# Altium PCB LightLink_V3.PcbDoc (part 1 of 4) (continued)
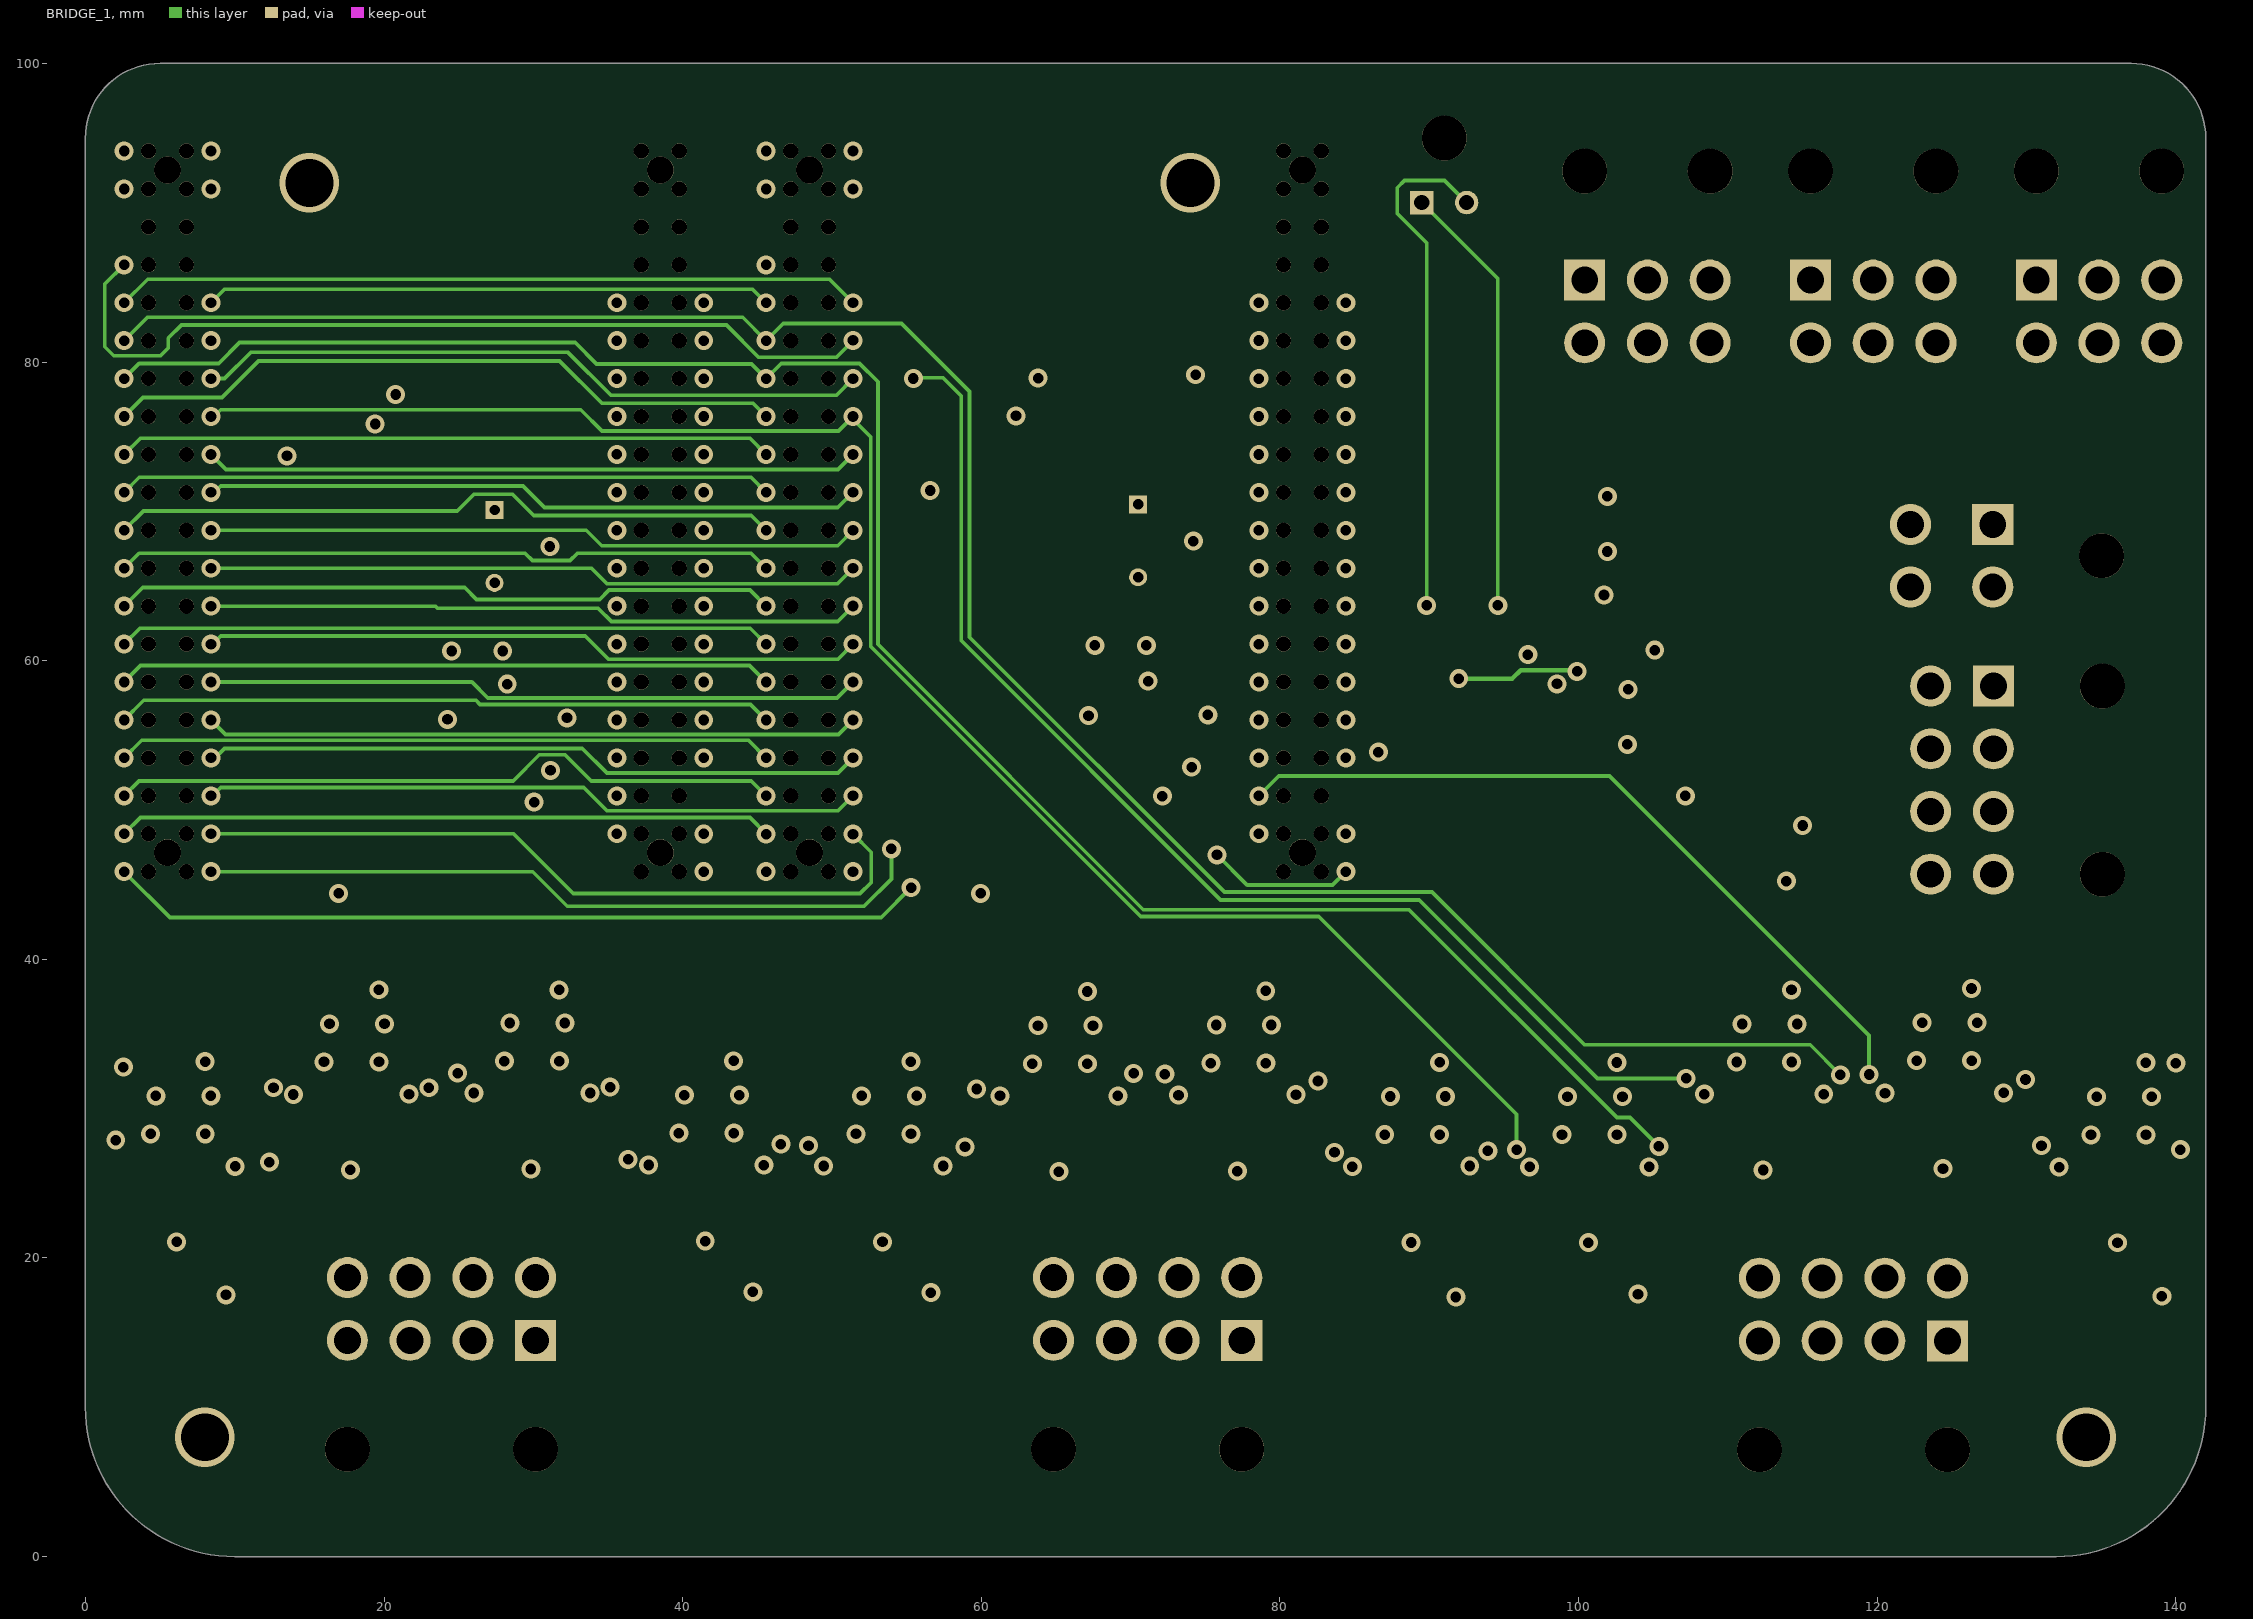
[diagram p4: BRIDGE_1]
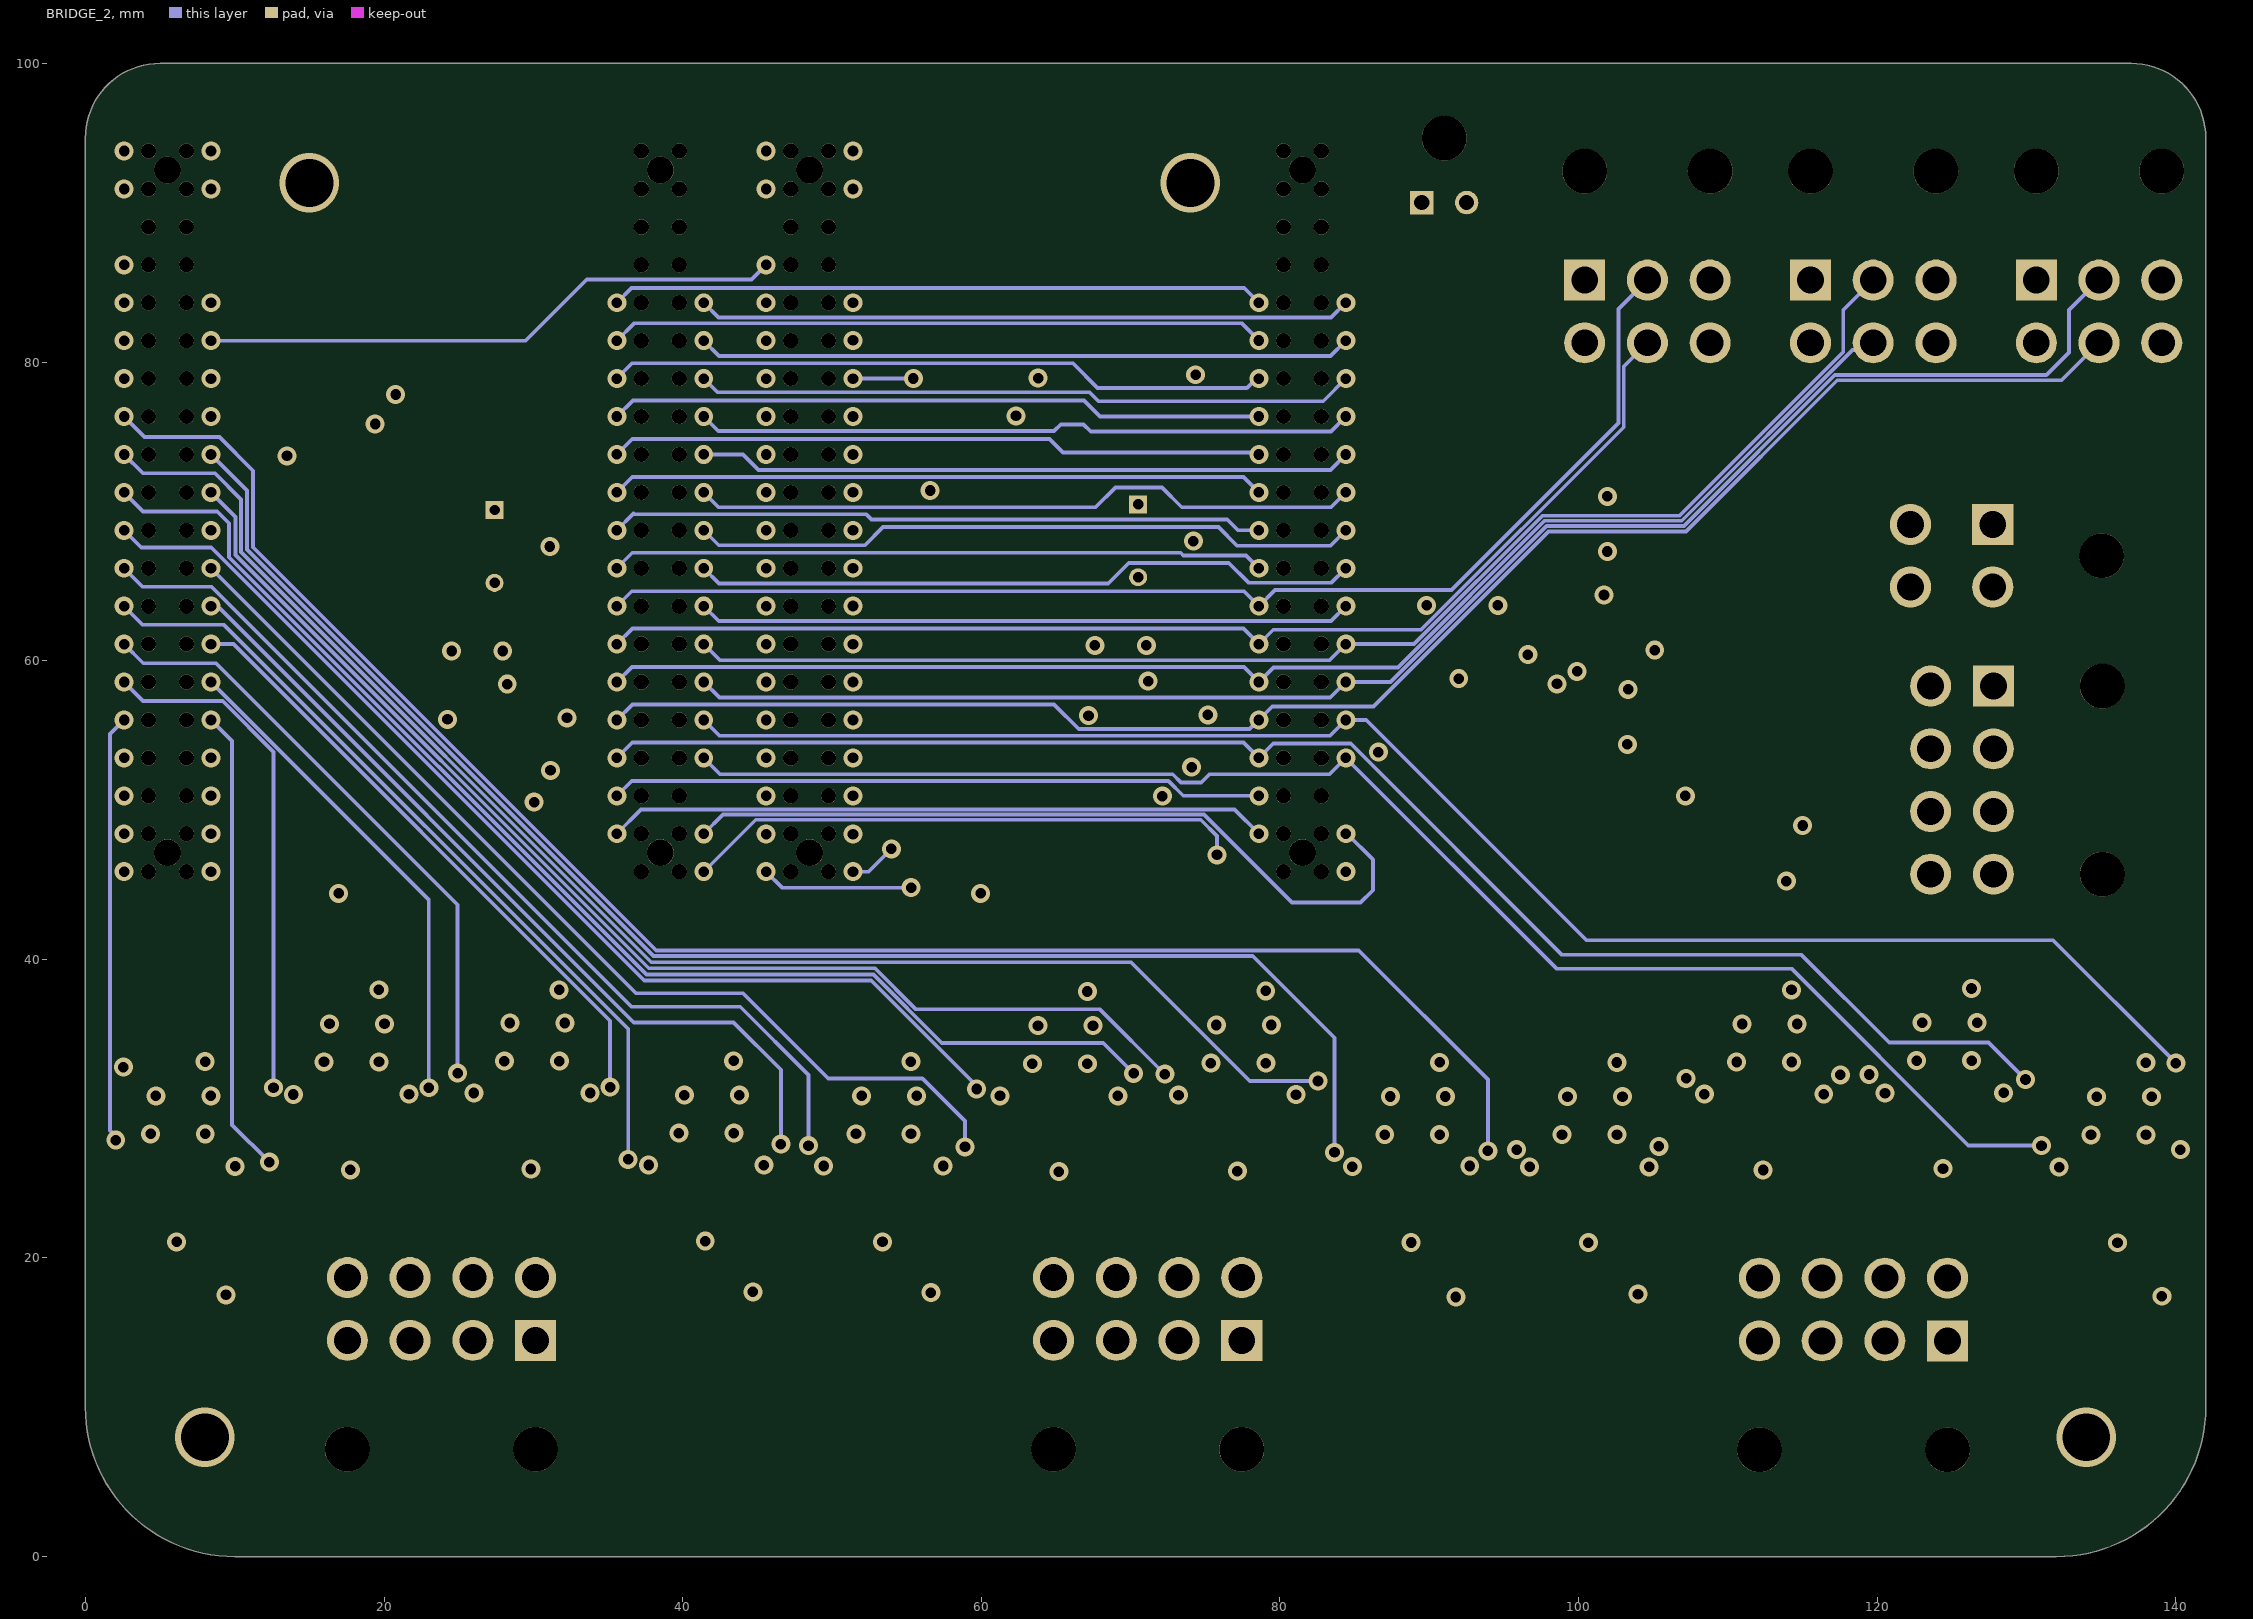
[diagram p5: BRIDGE_2]
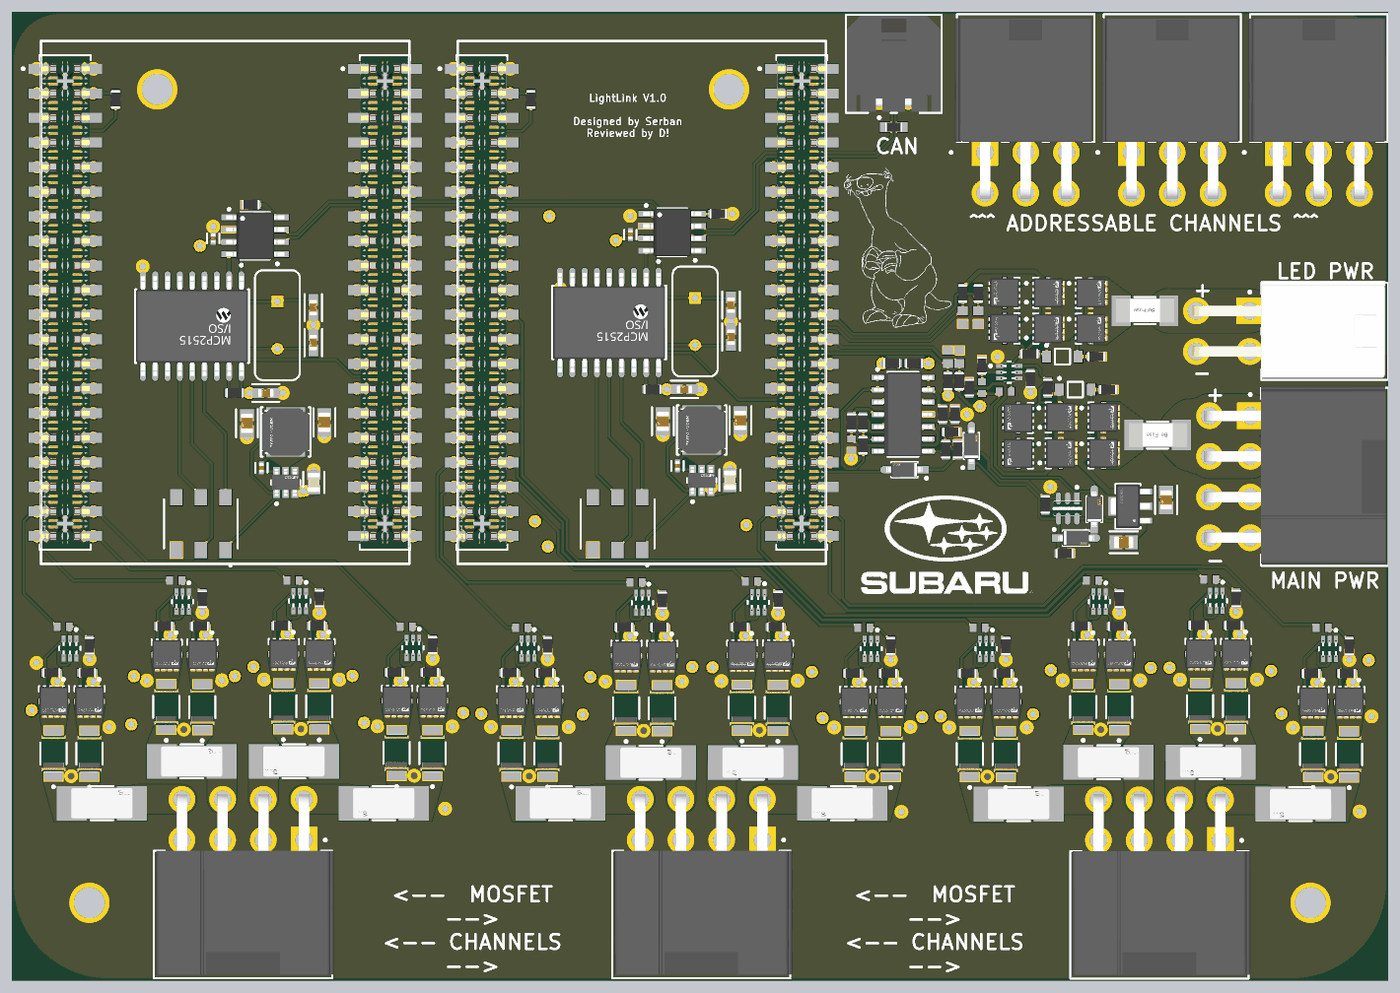
[diagram p9: 3D render of the assembled board from above, using the file's embedded part models]

## Layer stack, top to bottom
Top Solder: solder mask 0.0102, Solder Resist, Dk 3.5
Top Layer: signal copper 0.0356
Dielectric 2: prepreg 0.0711, PP-006, Dk 4.1
GND: signal copper 0.035
Dielectric 4: prepreg 0.0711, PP-006, Dk 4.1
PWR: signal copper 0.035
Dielectric 1: dielectric 0.32, FR-4, Dk 4.8
BRIDGE_1: signal copper 0.035
Dielectric 5: prepreg 0.0711, PP-006, Dk 4.1
BRIDGE_2: signal copper 0.035
Dielectric 3: prepreg 0.0711, PP-006, Dk 4.1
Bottom Layer: signal copper 0.0356
Bottom Solder: solder mask 0.0102, Solder Resist, Dk 3.5

## Board outline
0,10 0,95 cw(c5,95) 5,100 137,100 cw(c137,95) 142,95 142,10 cw(c132,10) 132,0 10,0 cw(c10,10)

## Design rules (kind name [scope] priority, off if disabled: settings)
BoardOutlineClearance [All] p1: gap=0.2 ignorepadtopadclearanceinfootprint=FALSE
Clearance [All] p1: gap=0.089 ignorepadtopadclearanceinfootprint=FALSE except(0.127: Arc-Via Track-Via SMDPad-Via THPad-Via Via-Via Via-Fill Via-Poly Via-Region Via-Text; 0.25: Arc-Hole Track-Hole SMDPad-Hole THPad-Hole Via-Hole Fill-Hole Poly-Hole Region-Hole Text-Hole)
ComponentClearance [All] p1: gap=0.089 collisioncheckmode=3 verticalgap=0.089 showdistances=TRUE
DiffPairsRouting [All] p1: maxlimit=0.089 minlimit=0.089 mostfreqgap=0.089 toplayer_minwidth=0.089 toplayer_maxwidth=1816.048 toplayer_prefwidth=0.089 midlayer1_minwidth=0.089 midlayer1_maxwidth=1816.048 midlayer1_prefwidth=0.089 midlayer2_minwidth=0.089 midlayer2_maxwidth=1816.048 midlayer2_prefwidth=0.089 midlayer3_minwidth=0.089 midlayer3_maxwidth=1816.048 midlayer3_prefwidth=0.089 midlayer4_minwidth=0.089 midlayer4_maxwidth=1816.048 midlayer4_prefwidth=0.089 bottomlayer_minwidth=0.089 bottomlayer_maxwidth=1816.048 bottomlayer_prefwidth=0.089 maxuncoupledlength=12.7
Height [All] p1: minheight=0 maxheight=1816.048 prefheight=12.7
HoleSize [All] p1: absolutevalues=TRUE maxlimit=6.3 minlimit=0.2 maxpercent=80.000 minpercent=20.000
HoleToHoleClearance [All] p1: gap=0.25 allowstackedmicrovias=FALSE
MinimumAnnularRing [All] p1: minimumring=0.076
MinimumSolderMaskSliver [All] p1: minsoldermaskwidth=0
PlaneClearance [All] p1: clearance=0.089
PlaneConnect PlaneConnectPowerPads [InPadClass('PowerPads')] p1: planeconnectstyle=Direct reliefexpansion=0.508 reliefentries=4 reliefconductorwidth=0.254 reliefairgap=0.254
PlaneConnect [All] p2: pad.planeconnectstyle=Relief pad.reliefexpansion=0.3 pad.reliefentries=4 pad.reliefconductorwidth=0.089 pad.reliefairgap=0.089 via.planeconnectstyle=Direct via.reliefexpansion=0.3 via.reliefentries=4 via.reliefconductorwidth=0.127 via.reliefairgap=0.127
PolygonConnect PolygonConnectPowerPads [All vs (InPadClass('PowerPads'))] p1: connectstyle=Direct reliefconductorwidth=0.254 reliefentries=4 polygonreliefangle="90 Angle" airgapwidth=0.254
PolygonConnect [All] p2: connectstyle=Direct reliefconductorwidth=0.089 reliefentries=4 polygonreliefangle="90 Angle" airgapwidth=0.089
RoutingVias [All] p1: holewidth=0.2 width=0.45 viastyle="Through Hole" minholewidth=0.2 minwidth=0.45 maxholewidth=6.3 maxwidth=6.55
SilkToSilkClearance [All] p1: silktosilkclearance=0
SilkToSolderMaskClearance [IsPad] p1: minsilkscreentomaskgap=0.089 clearancetoexposedcopper=TRUE
SolderMaskExpansion [All] p1: expansion=0.075 istentingtop=FALSE
Width [All] p1: maxlimit=1816.048 minlimit=0.089 preferedwidth=0.089
20 further rules are at their usual default settings.

## Classes and differential pairs
component class CAN_SW: C6 C7 D5 D6 D7 D8 R16 R17 R27 R28 R29 R31 R32 R33 R34 R47 R48 R49 R50 U6 U7 U9
component class PWR_MGMT: D3 D4 F1 F2 Q4 Q5 Q6 Q7 Q8 Q9 Q10 Q13 Q14 Q15 Q16 Q18 Q19 R20 R21 R22 R23 R24 R25 R26 R30 R35 R39 R40 R41 R42 R43 R44 R45 R46
component class INTERNAL_REGULATORS: C12 C13 C14 C15 C17 C18 C19 C20 L1 L2 U8 U10
component class CAN: C1 C2 C3 C4 C5 C8 C9 C10 R13 R14 R15 R18 R19 U2 U3 U4 U5 Y1 Y2
channel class MOSFET: M1 M2 M3 M4 M5 M6 M7 M8 M9 M10 M11 M12
component class M12: D1_M12 D2_M12 Q1_M12 Q2_M12 Q3_M12 R1_M12 R2_M12 R3_M12 R4_M12 R5_M12 R6_M12 R7_M12 R8_M12 R9_M12 R10_M12 R36_M12 R37_M12 R38_M12 R51_M12 R52_M12 R53_M12 R54_M12 U1_M12
component class M11: D1_M11 D2_M11 Q1_M11 Q2_M11 Q3_M11 R1_M11 R2_M11 R3_M11 R4_M11 R5_M11 R6_M11 R7_M11 R8_M11 R9_M11 R10_M11 R36_M11 R37_M11 R38_M11 R51_M11 R52_M11 R53_M11 R54_M11 U1_M11
component class M10: D1_M10 D2_M10 Q1_M10 Q2_M10 Q3_M10 R1_M10 R2_M10 R3_M10 R4_M10 R5_M10 R6_M10 R7_M10 R8_M10 R9_M10 R10_M10 R36_M10 R37_M10 R38_M10 R51_M10 R52_M10 R53_M10 R54_M10 U1_M10
component class M9: D1_M9 D2_M9 Q1_M9 Q2_M9 Q3_M9 R1_M9 R2_M9 R3_M9 R4_M9 R5_M9 R6_M9 R7_M9 R8_M9 R9_M9 R10_M9 R36_M9 R37_M9 R38_M9 R51_M9 R52_M9 R53_M9 R54_M9 U1_M9
component class M8: D1_M8 D2_M8 Q1_M8 Q2_M8 Q3_M8 R1_M8 R2_M8 R3_M8 R4_M8 R5_M8 R6_M8 R7_M8 R8_M8 R9_M8 R10_M8 R36_M8 R37_M8 R38_M8 R51_M8 R52_M8 R53_M8 R54_M8 U1_M8
component class M7: D1_M7 D2_M7 Q1_M7 Q2_M7 Q3_M7 R1_M7 R2_M7 R3_M7 R4_M7 R5_M7 R6_M7 R7_M7 R8_M7 R9_M7 R10_M7 R36_M7 R37_M7 R38_M7 R51_M7 R52_M7 R53_M7 R54_M7 U1_M7
component class M6: D1_M6 D2_M6 Q1_M6 Q2_M6 Q3_M6 R1_M6 R2_M6 R3_M6 R4_M6 R5_M6 R6_M6 R7_M6 R8_M6 R9_M6 R10_M6 R36_M6 R37_M6 R38_M6 R51_M6 R52_M6 R53_M6 R54_M6 U1_M6
component class M5: D1_M5 D2_M5 Q1_M5 Q2_M5 Q3_M5 R1_M5 R2_M5 R3_M5 R4_M5 R5_M5 R6_M5 R7_M5 R8_M5 R9_M5 R10_M5 R36_M5 R37_M5 R38_M5 R51_M5 R52_M5 R53_M5 R54_M5 U1_M5
component class M4: D1_M4 D2_M4 Q1_M4 Q2_M4 Q3_M4 R1_M4 R2_M4 R3_M4 R4_M4 R5_M4 R6_M4 R7_M4 R8_M4 R9_M4 R10_M4 R36_M4 R37_M4 R38_M4 R51_M4 R52_M4 R53_M4 R54_M4 U1_M4
component class M3: D1_M3 D2_M3 Q1_M3 Q2_M3 Q3_M3 R1_M3 R2_M3 R3_M3 R4_M3 R5_M3 R6_M3 R7_M3 R8_M3 R9_M3 R10_M3 R36_M3 R37_M3 R38_M3 R51_M3 R52_M3 R53_M3 R54_M3 U1_M3
component class M2: D1_M2 D2_M2 Q1_M2 Q2_M2 Q3_M2 R1_M2 R2_M2 R3_M2 R4_M2 R5_M2 R6_M2 R7_M2 R8_M2 R9_M2 R10_M2 R36_M2 R37_M2 R38_M2 R51_M2 R52_M2 R53_M2 R54_M2 U1_M2
component class M1: D1_M1 D2_M1 Q1_M1 Q2_M1 Q3_M1 R1_M1 R2_M1 R3_M1 R4_M1 R5_M1 R6_M1 R7_M1 R8_M1 R9_M1 R10_M1 R36_M1 R37_M1 R38_M1 R51_M1 R52_M1 R53_M1 R54_M1 U1_M1
component class LightLink_V3: J1 J2 J3 J4 J5 J6 J7 J8 J9 J10 J11 J12 J13 J14 J15 R11 R12
differential pair CAN: +CAN_P -CAN_N

## Components (designator, comment, footprint, x,y, rotation, side; value= is the part's Value field where it differs from the comment)
C1 "GRM188R60J106ME47D" FP-GRM188-0_1-e0_2_0_55-IPC_A 26.202,60.65 r180 top
C2 "C0402C104K8PACTU" FP-C0402-BB-MFG 20.775,76.625 r90 top value="0.10 μF"
C3 "C0402C104K8PACTU" FP-C0402-BB-MFG 63.815,77 r90 top value="0.10 μF"
C4 "GRM188R60J106ME47D" FP-GRM188-0_1-e0_2_0_55-IPC_A 31.1,65.85 r270 top
C5 "GRM188R60J106ME47D" FP-GRM188-0_1-e0_2_0_55-IPC_A 31.1,69.45 r90 top
C6 "CL21B225KAFNNNE" FP-0805-L_2_01_0_2-W_1_25-IPC_B 119.101,49.606 r270 top
C7 "CL21B225KAFNNNE" FP-0805-L_2_01_0_2-W_1_25-IPC_B 114.724,45.232 r180 top
C8 "GRM188R60J106ME47D" FP-GRM188-0_1-e0_2_0_55-IPC_A 69.4,61.025 r180 top
C9 "GRM188R60J106ME47D" FP-GRM188-0_1-e0_2_0_55-IPC_A 74.2,66.425 r270 top
C10 "GRM188R60J106ME47D" FP-GRM188-0_1-e0_2_0_55-IPC_A 74.2,69.725 r90 top
C12 "C0805C106K8PACTU" FP-C0805C-DG-MFG 31.15,51.425 r90 top value=10uF
C13 "GRM21BR61E226ME44L" FP-GRM21B-0_2-e0_2_0_7-IPC_B 24.25,57.525 r270 top
C14 "GRM21BR61E226ME44L" FP-GRM21B-0_2-e0_2_0_7-IPC_B 32.25,57.625 r270 top
C15 "C0402C104K8PACTU" FP-C0402-BB-MFG 25.75,52.925 r270 top value="0.10 μF"
C17 "C0805C106K8PACTU" FP-C0805C-DG-MFG 74.083,51.65 r90 top value=10uF
C18 "GRM21BR61E226ME44L" FP-GRM21B-0_2-e0_2_0_7-IPC_B 75.175,57.825 r270 top
C19 "GRM21BR61E226ME44L" FP-GRM21B-0_2-e0_2_0_7-IPC_B 67.175,57.725 r270 top
C20 "C0402C104K8PACTU" FP-C0402-BB-MFG 68.675,53.125 r270 top value="0.10 μF"
D1_M1 "PMEG3050EP,115" FP-SOD128-MFG 137.981,23.333 r90 top (schematic designator D1)
D1_M2 "PMEG3050EP,115" FP-SOD128-MFG 126.297,28.295 r90 top (schematic designator D1)
D1_M3 "PMEG3050EP,115" FP-SOD128-MFG 114.245,28.206 r90 top (schematic designator D1)
D1_M4 "PMEG3050EP,115" FP-SOD128-MFG 102.548,23.342 r90 top (schematic designator D1)
D1_M5 "PMEG3050EP,115" FP-SOD128-MFG 90.679,23.347 r90 top (schematic designator D1)
D1_M6 "PMEG3050EP,115" FP-SOD128-MFG 79.034,28.134 r90 top (schematic designator D1)
D1_M7 "PMEG3050EP,115" FP-SOD128-MFG 67.083,28.092 r90 top (schematic designator D1)
D1_M8 "PMEG3050EP,115" FP-SOD128-MFG 55.272,23.393 r90 top (schematic designator D1)
D1_M9 "PMEG3050EP,115" FP-SOD128-MFG 43.402,23.445 r90 top (schematic designator D1)
D1_M10 "PMEG3050EP,115" FP-SOD128-MFG 31.718,28.271 r90 top (schematic designator D1)
D1_M11 "PMEG3050EP,115" FP-SOD128-MFG 19.64,28.213 r90 top (schematic designator D1)
D1_M12 "PMEG3050EP,115" FP-SOD128-MFG 8.007,23.397 r90 top (schematic designator D1)
D2_M1 "PMEG3050EP,115" FP-SOD128-MFG 134.273,23.358 r90 top (schematic designator D2)
D2_M2 "PMEG3050EP,115" FP-SOD128-MFG 122.589,28.32 r90 top (schematic designator D2)
D2_M3 "PMEG3050EP,115" FP-SOD128-MFG 110.537,28.231 r90 top (schematic designator D2)
D2_M4 "PMEG3050EP,115" FP-SOD128-MFG 98.84,23.367 r90 top (schematic designator D2)
D2_M5 "PMEG3050EP,115" FP-SOD128-MFG 86.971,23.373 r90 top (schematic designator D2)
D2_M6 "PMEG3050EP,115" FP-SOD128-MFG 75.326,28.16 r90 top (schematic designator D2)
D2_M7 "PMEG3050EP,115" FP-SOD128-MFG 63.374,28.117 r90 top (schematic designator D2)
D2_M8 "PMEG3050EP,115" FP-SOD128-MFG 51.563,23.418 r90 top (schematic designator D2)
D2_M9 "PMEG3050EP,115" FP-SOD128-MFG 39.694,23.471 r90 top (schematic designator D2)
D2_M10 "PMEG3050EP,115" FP-SOD128-MFG 28.01,28.297 r90 top (schematic designator D2)
D2_M11 "PMEG3050EP,115" FP-SOD128-MFG 15.931,28.239 r90 top (schematic designator D2)
D2_M12 "PMEG3050EP,115" FP-SOD128-MFG 4.298,23.423 r90 top (schematic designator D2)
D3 "MMSZ5242BT1G" ONSC-SOD-123-2-425-04_V 109.725,61 r0 top
D4 "MMSZ5242BT1G" ONSC-SOD-123-2-425-04_V 108.4,64.4 r0 top
D5 "1N4148W-TP" FP-SOD-123-IPC_A 109.804,45.669 r0 top
D6 "1N4148W-TP" FP-SOD-123-IPC_A 111.684,48.641 r90 top
D7 "1N4148W-TP" FP-SOD-123-IPC_A 99.009,55.194 r90 top
D8 "1N4148W-TP" FP-SOD-123-IPC_A 92.1,52.73 r180 top
F1 "0679L9150-01" FP-0679L-MFG 118.225,56.3 r180 top value=0.0038Ω
F2 "0679L9150-01" FP-0679L-MFG 116.925,69.15 r180 top value=0.0038Ω
J1 "45586-0005" FP-45586-0005-MFG 135.277,52 r270 top
J2 "HLE-103-02-L-DV-BE-TR" SAMTEC_HLE-103-02-L-DV-BE-TR 19.5,47.14 r0 top
J3 "HLE-103-02-L-DV-BE-TR" SAMTEC_HLE-103-02-L-DV-BE-TR 62.5,47.14 r0 top
J4 "45586-0005" FP-45586-0005-MFG 23.845,6.985 r180 top
J5 "455580003" FP-455580003-MFG 134.852,92.988 r0 top
J6 "M20-7812045" FP-M20-7812045-MFG 5.5,70 r270 top
J7 "M20-7812045" FP-M20-7812045-MFG 38.5,70 r270 top
J8 "M20-7812045" FP-M20-7812045-MFG 48.5,70 r270 top
J9 "M20-7812045" FP-M20-7812045-MFG 81.5,70 r270 top
J10 "455580003" FP-455580003-MFG 119.73,92.988 r0 top
J11 "45586-0005" FP-45586-0005-MFG 71.139,6.985 r180 top
J12 "455580003" FP-455580003-MFG 104.608,92.988 r0 top
J13 "45586-0005" FP-45586-0005-MFG 118.41,6.949 r180 top
J14 "43650-0201" FP-43650-0201-MFG 91,94.65 r180 top
J15 "172448-0004" FP-39-30-1041-MFG 135.279,67.025 r90 top
L1 "NR5040T4R7N" FP-NR5040-H_4_1-MFG 28.25,56.625 r90 top
L2 "NR5040T4R7N" FP-NR5040-H_4_1-MFG 71.175,56.825 r90 top
Q1_M1 "SISH615ADN-T1-GE3" SISH615ADN-T1-GE3-Footprint-1 138.039,28.758 r180 top (schematic designator Q1)
Q1_M2 "SISH615ADN-T1-GE3" SISH615ADN-T1-GE3-Footprint-1 126.355,33.719 r180 top (schematic designator Q1)
Q1_M3 "SISH615ADN-T1-GE3" SISH615ADN-T1-GE3-Footprint-1 114.303,33.631 r180 top (schematic designator Q1)
Q1_M4 "SISH615ADN-T1-GE3" SISH615ADN-T1-GE3-Footprint-1 102.606,28.766 r180 top (schematic designator Q1)
Q1_M5 "SISH615ADN-T1-GE3" SISH615ADN-T1-GE3-Footprint-1 90.737,28.772 r180 top (schematic designator Q1)
Q1_M6 "SISH615ADN-T1-GE3" SISH615ADN-T1-GE3-Footprint-1 79.092,33.559 r180 top (schematic designator Q1)
Q1_M7 "SISH615ADN-T1-GE3" SISH615ADN-T1-GE3-Footprint-1 67.141,33.516 r180 top (schematic designator Q1)
Q1_M8 "SISH615ADN-T1-GE3" SISH615ADN-T1-GE3-Footprint-1 55.33,28.817 r180 top (schematic designator Q1)
Q1_M9 "SISH615ADN-T1-GE3" SISH615ADN-T1-GE3-Footprint-1 43.46,28.87 r180 top (schematic designator Q1)
Q1_M10 "SISH615ADN-T1-GE3" SISH615ADN-T1-GE3-Footprint-1 31.776,33.696 r180 top (schematic designator Q1)
Q1_M11 "SISH615ADN-T1-GE3" SISH615ADN-T1-GE3-Footprint-1 19.698,33.638 r180 top (schematic designator Q1)
Q1_M12 "SISH615ADN-T1-GE3" SISH615ADN-T1-GE3-Footprint-1 8.064,28.822 r180 top (schematic designator Q1)
Q2_M1 "SSM6N7002KFU,LF" FP-SSOP6-P-0_65A-MFG 135.962,34.226 r270 top (schematic designator Q2)
Q2_M2 "SSM6N7002KFU,LF" FP-SSOP6-P-0_65A-MFG 124.278,39.187 r270 top (schematic designator Q2)
Q2_M3 "SSM6N7002KFU,LF" FP-SSOP6-P-0_65A-MFG 112.227,39.099 r270 top (schematic designator Q2)
Q2_M4 "SSM6N7002KFU,LF" FP-SSOP6-P-0_65A-MFG 100.529,34.234 r270 top (schematic designator Q2)
Q2_M5 "SSM6N7002KFU,LF" FP-SSOP6-P-0_65A-MFG 88.661,34.24 r270 top (schematic designator Q2)
Q2_M6 "SSM6N7002KFU,LF" FP-SSOP6-P-0_65A-MFG 77.015,39.027 r270 top (schematic designator Q2)
Q2_M7 "SSM6N7002KFU,LF" FP-SSOP6-P-0_65A-MFG 65.064,38.984 r270 top (schematic designator Q2)
Q2_M8 "SSM6N7002KFU,LF" FP-SSOP6-P-0_65A-MFG 53.253,34.285 r270 top (schematic designator Q2)
Q2_M9 "SSM6N7002KFU,LF" FP-SSOP6-P-0_65A-MFG 41.383,34.338 r270 top (schematic designator Q2)
Q2_M10 "SSM6N7002KFU,LF" FP-SSOP6-P-0_65A-MFG 29.699,39.164 r270 top (schematic designator Q2)
Q2_M11 "SSM6N7002KFU,LF" FP-SSOP6-P-0_65A-MFG 17.621,39.106 r270 top (schematic designator Q2)
Q2_M12 "SSM6N7002KFU,LF" FP-SSOP6-P-0_65A-MFG 5.988,34.29 r270 top (schematic designator Q2)
Q3_M1 "SISH615ADN-T1-GE3" SISH615ADN-T1-GE3-Footprint-1 134.356,28.758 r180 top (schematic designator Q3)
Q3_M2 "SISH615ADN-T1-GE3" SISH615ADN-T1-GE3-Footprint-1 122.672,33.719 r180 top (schematic designator Q3)
Q3_M3 "SISH615ADN-T1-GE3" SISH615ADN-T1-GE3-Footprint-1 110.62,33.631 r180 top (schematic designator Q3)
Q3_M4 "SISH615ADN-T1-GE3" SISH615ADN-T1-GE3-Footprint-1 98.923,28.766 r180 top (schematic designator Q3)
Q3_M5 "SISH615ADN-T1-GE3" SISH615ADN-T1-GE3-Footprint-1 87.054,28.772 r180 top (schematic designator Q3)
Q3_M6 "SISH615ADN-T1-GE3" SISH615ADN-T1-GE3-Footprint-1 75.409,33.559 r180 top (schematic designator Q3)
Q3_M7 "SISH615ADN-T1-GE3" SISH615ADN-T1-GE3-Footprint-1 63.458,33.516 r180 top (schematic designator Q3)
Q3_M8 "SISH615ADN-T1-GE3" SISH615ADN-T1-GE3-Footprint-1 51.647,28.817 r180 top (schematic designator Q3)
Q3_M9 "SISH615ADN-T1-GE3" SISH615ADN-T1-GE3-Footprint-1 39.777,28.87 r180 top (schematic designator Q3)
Q3_M10 "SISH615ADN-T1-GE3" SISH615ADN-T1-GE3-Footprint-1 28.093,33.696 r180 top (schematic designator Q3)
Q3_M11 "SISH615ADN-T1-GE3" SISH615ADN-T1-GE3-Footprint-1 16.015,33.638 r180 top (schematic designator Q3)
Q3_M12 "SISH615ADN-T1-GE3" SISH615ADN-T1-GE3-Footprint-1 4.381,28.822 r180 top (schematic designator Q3)
Q4 "SISH615ADN-T1-GE3" SISH615ADN-T1-GE3-Footprint-1 112.625,58.162 r270 top
Q5 "SISH615ADN-T1-GE3" SISH615ADN-T1-GE3-Footprint-1 108.225,54.462 r270 top
Q6 "SISH615ADN-T1-GE3" SISH615ADN-T1-GE3-Footprint-1 103.825,54.358 r90 top
Q7 "SISH615ADN-T1-GE3" SISH615ADN-T1-GE3-Footprint-1 112.625,54.462 r270 top
Q8 "SISH615ADN-T1-GE3" SISH615ADN-T1-GE3-Footprint-1 108.225,58.162 r270 top
Q9 "SISH615ADN-T1-GE3" SISH615ADN-T1-GE3-Footprint-1 103.825,58.037 r90 top
Q10 "SSM6N7002KFU,LF" FP-SSOP6-P-0_65A-MFG 102.9,62.8 r0 top
Q13 "SISH615ADN-T1-GE3" SISH615ADN-T1-GE3-Footprint-1 106.93,67.338 r270 top